# Altium PCB BGA_faser.PcbDoc (part 1 of 3) (continued)
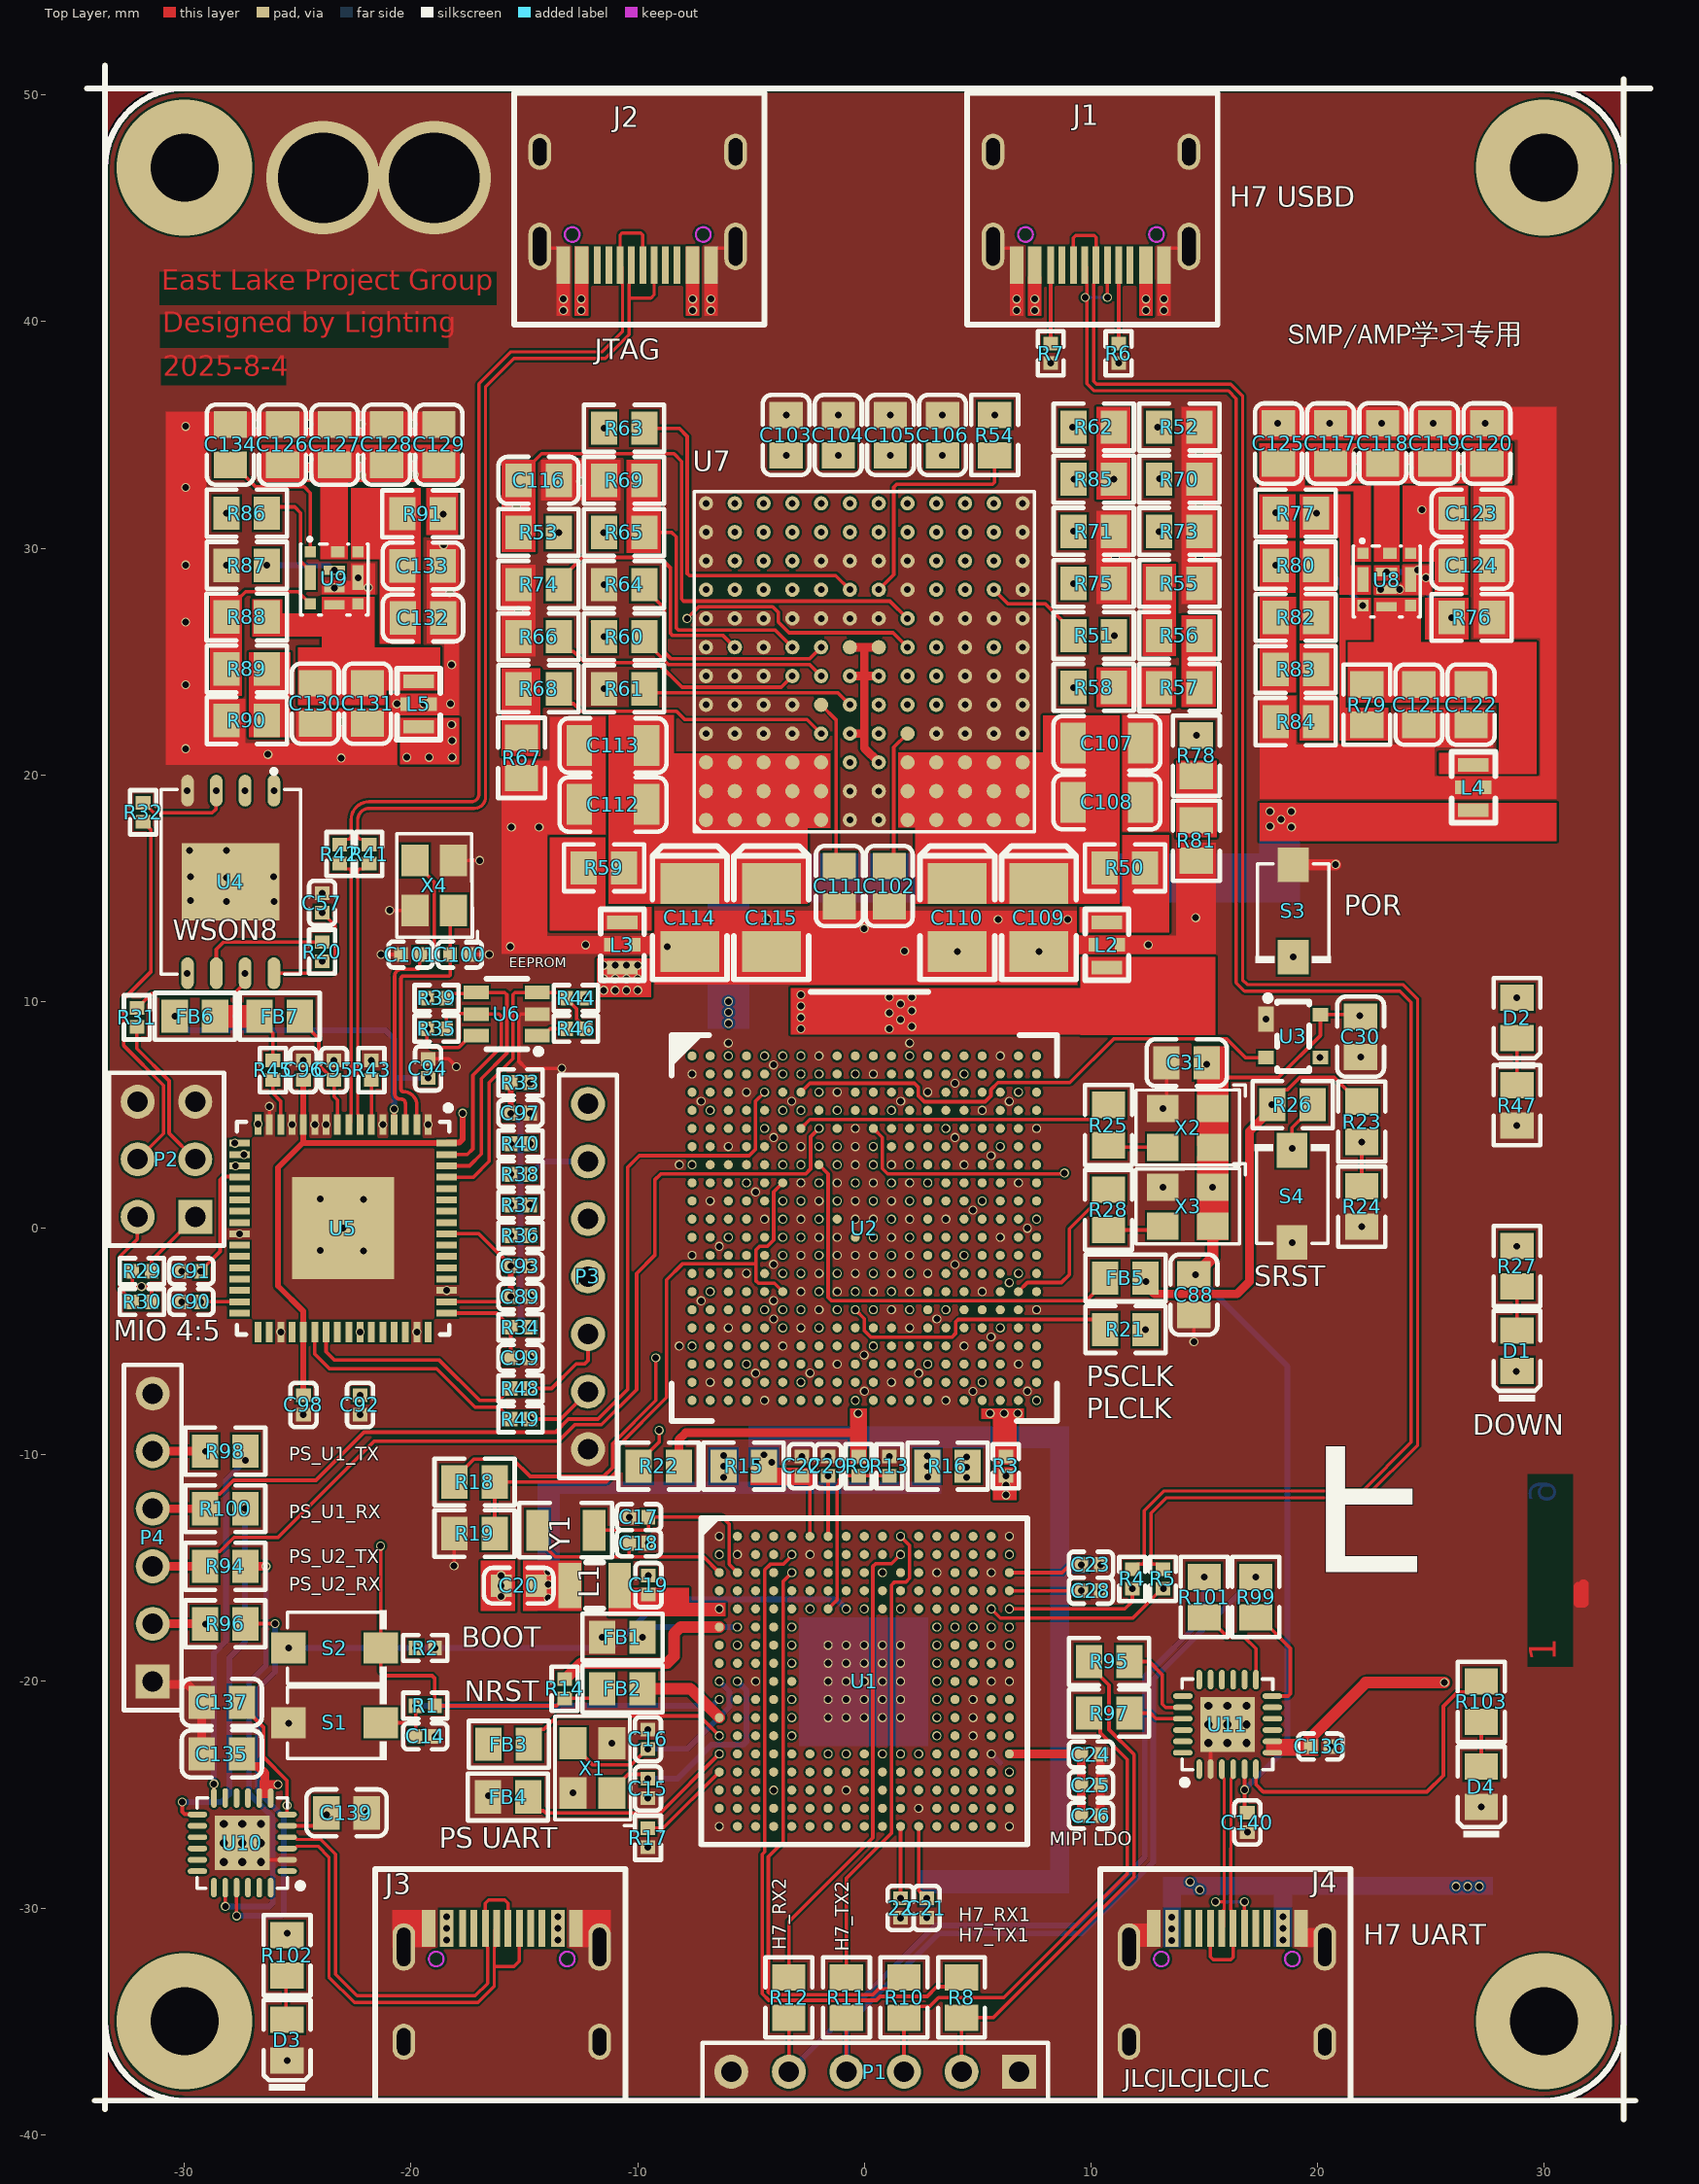
[diagram p0: Top Layer view]
## Components (designator, comment, footprint, x,y, rotation, side; value= is the part's Value field where it differs from the comment)
22 "2.2uF" 0402_C 1.6,-30 r270 top locked (schematic designator C27)
C1 "100nF" 0201#1 -2.63,-21.6 r180 bottom
C2 "100nF" 0201#1 -2.63,-18.4 r180 bottom
C3 "100nF" 0201#1 -1.6,-22.63 r270 bottom
C4 "100nF" 0201#1 1.6,-22.63 r270 bottom
C5 "100nF" 0201#1 2.63,-21.6 r0 bottom
C6 "100nF" 0201#1 2.63,-20 r0 bottom
C7 "100nF" 0201#1 2.63,-18.4 r0 bottom
C8 "100nF" 0201#1 5.83,-18.4 r0 bottom
C9 "100nF" 0201#1 1.6,-17.37 r90 bottom
C10 "100nF" 0201#1 0,-17.37 r90 bottom
C11 "100nF" 0201#1 -2.4,-17.37 r90 bottom
C12 "100nF" 0201#1 -6.4,-13.83 r270 bottom
C13 "100nF" 0201#1 5.997,-23.597 r315 bottom
C14 "100nF" 0402_C -19.375,-22.425 r180 top
C15 "12pF" 0402_C -9.55,-24.725 r270 top
C16 "12pF" 0402_C -9.55,-22.55 r90 top
C17 "20pF" 0402_C -9.95,-12.75 r0 top
C18 "20pF" 0402_C -9.95,-13.9 r180 top
C19 "220pF" 0402_C -9.525,-15.75 r270 top
C20 "10uF" 0603_C -15.25,-15.775 r0 top
C21 "100nF" 0402_C 2.75,-30 r270 top locked
C22 "100nF" 0402_C -2.75,-10.5 r90 top
C23 "100nF" 0402_C 10,-14.85 r0 top locked
C24 "100nF" 0402_C 10,-23.225 r180 top locked
C25 "2.2uF" 0402_C 10,-24.575 r180 top locked
C26 "NC" 0402_C 10,-25.925 r180 top locked
C28 "2.2uF" 0402_C 10,-16 r0 top locked
C29 "2.2uF" 0402_C -1.6,-10.5 r90 top locked
C30 "100nF" 0805_C 21.9,8.45 r90 top locked
C31 "100nF" 0805_C 14.225,7.3 r0 top
C32 "100nF" 0201#1 0.17,2 r180 bottom
C33 "100nF" 0201#1 1.43,2.8 r0 bottom
C34 "100nF" 0201#1 1.77,0.4 r180 bottom
C35 "100nF" 0201#1 -2.23,1.2 r180 bottom
C36 "100nF" 0201#1 1.77,-1.2 r180 bottom
C37 "100nF" 0201#1 1.77,-2.8 r180 bottom
C38 "100nF" 0201#1 -2.23,-3.6 r180 bottom
C39 "100nF" 0201#1 -2.57,-2.8 r0 bottom
C40 "100nF" 0201#2 -2.23,-0.4 r180 bottom
C41 "100nF" 0201#1 -2.23,-2 r180 bottom
C42 "100nF" 0201#1 -1.2,-3.03 r270 bottom
C43 "100nF" 0201#1 -0.4,-2.23 r270 bottom
C44 "100nF" 0201#1 -1.2,-1.43 r270 bottom
C45 "100nF" 0201#1 0.4,-1.43 r270 bottom
C46 "100nF" 0201#1 0.4,0.17 r270 bottom
C47 "100nF" 0201#1 -2.57,-1.2 r0 bottom
C48 "100nF" 0201#1 0.97,1.2 r180 bottom
C49 "100nF" 0201#1 -0.17,3.6 r0 bottom
C50 "100nF" 0201#1 3.997,6.397 r45 bottom
C51 "100nF" 0201#3 4.003,3.997 r135 bottom
C52 "100nF" 0201#1 -2.57,2 r0 bottom
C53 "100nF" 0201#1 -0.63,1.2 r180 bottom
C54 "100nF" 0201#1 -0.63,2.8 r180 bottom
C55 "100nF" 0201#1 2,8.17 r270 bottom
C56 "100nF" 0201#3 1.603,5.603 r225 bottom
C57 "100nF" 0402_C -23.925,14.35 r270 top locked
C58 "100nF" 0201#1 6.397,5.597 r45 bottom
C59 "100nF" 0201#1 5.597,3.197 r45 bottom
C60 "100nF" 0201#1 4.797,0.797 r45 bottom
C61 "100nF" 0201#1 3.997,-1.603 r45 bottom
C62 "100nF" 0201#1 3.197,-4.003 r45 bottom
C63 "100nF" 0201#1 5.597,-4.803 r45 bottom
C64 "100nF" 0201#1 2.397,-6.403 r45 bottom
C65 "100nF" 0201#1 4.797,-7.203 r45 bottom
C66 "100nF" 0201#1 -0.003,-5.603 r45 bottom
C67 "100nF" 0201#1 0.003,-7.197 r225 bottom
C68 "100nF" 0201#1 -2.397,-6.397 r225 bottom
C69 "100nF" 0201#1 7.197,-7.197 r315 bottom
C70 "100nF" 0201#1 2.23,2 r0 bottom
C71 "100nF" 0201#1 -2.57,-4.4 r0 bottom
C72 "100nF" 0201#1 -4.003,-1.597 r315 bottom
C73 "100nF" 0201#1 -4.003,7.203 r315 bottom
C74 "100nF" 0201#1 -3.203,5.603 r315 bottom
C75 "100nF" 0201#1 -4.17,0.4 r0 bottom
C76 "100nF" 0201#1 -4.003,-3.197 r315 bottom
C77 "100nF" 0201#1 7.197,-0.003 r45 bottom
C78 "100nF" 0201#1 -8.17,-5.2 r0 bottom
C79 "100nF" 0201#1 -4.797,-6.403 r135 bottom
C80 "100nF" 0201#1 -3.997,-4.003 r135 bottom
C81 "100nF" 0201#1 -7.203,-3.203 r45 bottom
C82 "100nF" 0201#1 -4.797,1.597 r135 bottom
C83 "100nF" 0201#1 -3.997,3.997 r135 bottom
C84 "100nF" 0201#1 -6.403,-0.803 r45 bottom
C85 "100nF" 0201#1 -6,8.17 r270 bottom
C86 "100nF" 0201#1 -8.17,2.8 r0 bottom
C87 "100nF" 0201#1 -7.203,5.603 r315 bottom
C88 "100nF" 0805_C 14.543,-2.934 r90 top
C89 "100nF" 0402_C -15.175,-3.025 r180 top
C90 "100nF" 0402_C -29.7,-3.25 r0 top
C91 "100nF" 0402_C -29.7,-1.9 r0 top
C92 "100nF" 0402_C -22.25,-7.8 r90 top
C93 "100nF" 0402_C -15.175,-1.675 r180 top
C94 "100nF" 0402_C -19.25,7.05 r90 top
C95 "100nF" 0402_C -23.4,6.975 r90 top
C96 "100nF" 0402_C -24.75,6.975 r270 top
C97 "100nF" 0402_C -15.175,5.075 r180 top
C98 "100nF" 0402_C -24.75,-7.8 r90 top
C99 "4.7uF" 0402_C -15.175,-5.725 r180 top
C100 "12pF (120) 5% 50V" 0402_C -17.85,12.075 r180 top
C101 "12pF (120) 5% 50V" 0402_C -20.025,12.075 r0 top
C102 "100nF" 0805_C 1.1,15.1 r270 top
C103 "22uF" 0805_C -3.45,35 r270 top
C104 "22uF" 0805_C -1.15,35 r270 top
C105 "22uF" 0805_C 1.15,35 r270 top
C106 "22uF" 0805_C 3.45,35 r270 top
C107 "100uF" 1206_C 10.7,21.4 r180 top
C108 "100uF" 1206_C 10.7,18.8 r180 top
C109 "100uF" CASE-B_3528 7.7,13.7 r90 top
C110 "100uF" CASE-B_3528 4.1,13.7 r90 top
C111 "100nF" 0805_C -1.1,15.1 r270 top
C112 "100uF" 1206_C -11.09,18.7 r0 top
C113 "100uF" 1206_C -11.09,21.3 r0 top
C114 "100uF" CASE-B_3528 -7.7,13.7 r90 top
C115 "100uF" CASE-B_3528 -4.1,13.7 r90 top
C116 "4.7uF" 0805_C -14.375,33 r180 top
C117 "10uF" 0805_C 20.575,34.625 r270 top
C118 "10uF" 0805_C 22.875,34.635 r270 top
C119 "NC" 0805_C 25.175,34.625 r270 top
C120 "NC" 0805_C 27.475,34.625 r270 top
C121 "22uF (226) 20% 25V" 0805_C 24.475,23.1 r90 top
C122 "22uF (226) 20% 25V" 0805_C 26.775,23.1 r90 top
C123 "NC" 0805_C 26.8,31.55 r180 top
C124 "100pF" 0805_C 26.8,29.25 r180 top
C125 "3.3nF" 0805_C 18.275,34.625 r270 top
C126 "10uF" 0805_C -25.675,34.575 r270 top
C127 "10uF" 0805_C -23.375,34.575 r270 top
C128 "NC" 0805_C -21.075,34.575 r270 top
C129 "NC" 0805_C -18.775,34.575 r270 top
C130 "22uF" 0805_C -24.225,23.15 r90 top
C131 "22uF" 0805_C -21.925,23.15 r90 top
C132 "NC" 0805_C -19.475,26.925 r180 top
C133 "100pF" 0805_C -19.485,29.225 r180 top
C134 "3.3nF" 0805_C -27.975,34.575 r270 top
C135 "1uF" 0805_C -28.35,-23.2 r0 top locked
C136 "1uF" 0402_C 20.125,-22.875 r180 top
C137 "100nF" 0805_C -28.35,-20.925 r0 top locked
C139 "1uF" 0805_C -22.85,-25.8 r180 top
C140 "1uF" 0402_C 16.9,-26.225 r90 top
D1 "翠绿 0805" 0805_LED_S1#1 28.8,-5.41 r90 top
D2 "翠绿 0805" 0805_LED_S1#1 28.8,9.275 r90 top locked
D3 "白灯 0603" 0805_LED_S1#2 -25.475,-35.825 r90 top locked
D4 "白灯 0603" 0805_LED_S1#1 27.225,-24.65 r90 top
FB1 "100Ω ±25% 100MHz" 0805_L -10.675,-18.05 r180 top
FB2 "100Ω ±25% 100MHz" 0805_L -10.675,-20.325 r180 top
FB3 "100Ω ±25% 100MHz" 0805_L -15.69,-22.775 r180 top
FB4 "100Ω ±25% 100MHz" 0805_L -15.725,-25.1 r180 top
FB5 "100Ω ±25% 100MHz" 0805_L 11.525,-2.2 r0 top
FB6 "100Ω ±25% 100MHz" 0805_L -29.54,9.35 r0 top
FB7 "100Ω ±25% 100MHz" 0805_L -25.8,9.35 r180 top
J1 "type C 16pin" "USB type C  16pin" 10,45 r180 top locked
J2 "type C 16pin" "USB type C  16pin" -10,45 r180 top locked
J3 "Type_C_16" "USB type C  16pin" -16,-33.4 r0 top locked
J4 "Type_C_16" "USB type C  16pin" 16,-33.4 r0 top locked
L1 "Inductor" IND-SMD_L2.5-W2.0_YXMBL252010P -11.9,-15.775 r0 top value=22uH
L2 "NFM21PC105B1C3D" FILTER-SMD_3P-L2.0-W1.2-L 10.7,12.5 r270 top
L3 "NFM21PC105B1C3D" FILTER-SMD_3P-L2.0-W1.2-L -10.68,12.5 r270 top
L4 "NFM21PC105B1C3D" FILTER-SMD_3P-L2.0-W1.2-L 26.875,19.45 r270 top
L5 "NFM21PC105B1C3D" FILTER-SMD_3P-L2.0-W1.2-L -19.675,23.125 r270 top
P1 "Header 6" HDR1X6 6.83,-37.225 r180 top
P2 "Header 3X2" HDR2X3 -29.525,0.5 r90 top locked
P3 "Header 7" HDR1X7 -12.192,-9.754 r90 top locked
P4 "Header 6" HDR1X6 -31.4,-20 r90 top locked (schematic designator P?)
R1 "10KΩ" 0402_R -19.375,-21.075 r0 top
R2 "10KΩ" 0402_R -19.375,-18.525 r180 top
R3 "0Ω" 0402_R 6.25,-10.5 r270 top
R4 "33Ω" 0402_R 11.825,-15.475 r90 top
R5 "33Ω" 0402_R 13.175,-15.475 r90 top
R6 "5.1KΩ" 0402_R 11.225,38.6 r270 top locked
R7 "5.1KΩ" 0402_R 8.225,38.6 r270 top locked
R8 "33Ω" 0805_R 4.29,-33.95 r270 top
R9 "10KΩ" 0402_R -0.25,-10.5 r90 top
R10 "33Ω" 0805_R 1.75,-33.95 r270 top
R11 "33Ω" 0805_R -0.79,-33.95 r270 top
R12 "33Ω" 0805_R -3.33,-33.95 r270 top
R13 "NC" 0402_R 1.1,-10.5 r270 top
R14 "0Ω" 0402_R -13.225,-20.325 r90 top
R15 "0Ω" 0805_R -5.325,-10.5 r180 top locked
R16 "NC" 0805_R 3.675,-10.5 r180 top
R17 "0Ω" 0402_R -9.55,-26.9 r90 top
R18 "10KΩ" 0805_R -17.2,-11.2 r180 top
R19 "10KΩ" 0805_R -17.2,-13.475 r0 top
R20 "33Ω" 0402_R -23.925,12.2 r90 top
R21 "4.7KΩ" 0805_R 11.525,-4.475 r180 top locked
R22 "4.7KΩ" 0805_R -9.075,-10.5 r180 top locked
R23 "10KΩ" 0805_R 21.95,4.7 r90 top
R24 "10KΩ" 0805_R 21.95,0.95 r90 top
R25 "0Ω (0R0) ±1%" 0805_R 10.775,4.55 r90 top
R26 "10KΩ" 0805_R 18.9,5.45 r180 top
R27 "1.2KΩ" 0805_R 28.8,-1.675 r90 top
R28 "0Ω (0R0) ±1%" 0805_R 10.775,0.81 r90 top
R29 "10KΩ" 0402_R -31.875,-1.9 r0 top
R30 "10KΩ" 0402_R -31.875,-3.25 r0 top
R31 "20KΩ" 0402_R -32.1,9.3 r270 top
R32 "20KΩ" 0402_R -31.825,18.35 r90 top
R33 "0Ω" 0402_R -15.175,6.425 r0 top
R34 "0Ω" 0402_R -15.175,-4.375 r180 top
R35 "10KΩ (1002) ±1%" 0402_R -18.875,8.8 r180 top
R36 "33Ω" 0402 -15.6,-0.325 r0 top
R37 "33Ω" 0402 -15.6,1.025 r0 top
R38 "33Ω" 0402 -15.6,2.375 r0 top
R39 "10KΩ (1002) ±1%" 0402_R -18.875,10.15 r180 top
R40 "33Ω" 0402 -15.6,3.725 r0 top
R41 "33Ω" 0402_R -21.851,16.51 r270 top locked
R42 "33Ω" 0402_R -23.151,16.51 r270 top locked
R43 "12KΩ" 0402_R -21.75,6.975 r270 top
R44 "10KΩ (1002) ±1%" 0402_R -12.725,10.15 r0 top
R45 "1KΩ" 0402_R -26.1,6.975 r270 top
R46 "2.2KΩ" 0402_R -12.725,8.8 r180 top
R47 "1KΩ (1001) ±1%" 0805_R 28.8,5.425 r90 top locked
R48 "33Ω" 0402 -15.6,-7.075 r0 top
R49 "33Ω" 0402 -15.6,-8.425 r0 top
R50 "0Ω" 0805_R 11.5,15.9 r0 top
R51 "0Ω (0R0) ±1%" 0805_R 10.125,26.15 r180 top
R52 "NC" 0805_R 13.9,35.35 r180 top
R53 "10KΩ (1002) ±1%" 0805_R -14.375,30.7 r180 top
R54 "NC" 0805_R 5.75,35 r270 top
R55 "3KΩ (3001) ±1%" 0805_R 13.9,28.45 r0 top
R56 "51KΩ (5102) ±1%" 0805_R 13.9,26.15 r0 top
R57 "33KΩ (3302) ±1%" 0805_R 13.899,23.856 r180 top
R58 "3.9KΩ (3901) ±1%" 0805_R 10.121,23.862 r180 top
R59 "0Ω" 0805_R -11.49,15.9 r180 top
R60 "0Ω (0R0) ±1%" 0805_R -10.6,26.1 r180 top
R61 "NC" 0805_R -10.6,23.8 r0 top
R62 "10KΩ (1002) ±1%" 0805_R 10.125,35.35 r180 top
R63 "100KΩ" 0805_R -10.6,35.3 r180 top
R64 "NC" 0805_R -10.6,28.4 r0 top
R65 "0Ω" 0805_R -10.6,30.7 r180 top
R66 "0Ω" 0805_R -14.375,26.1 r180 top
R67 "200Ω (2000) ±1%" 0805_R -15.125,20.75 r90 top
R68 "30KΩ (3002) ±1%" 0805_R -14.375,23.8 r0 top
R69 "0Ω" 0805_R -10.6,33 r0 top
R70 "NC" 0805_R 13.9,33.05 r0 top
R71 "NC" 0805_R 10.125,30.75 r180 top
R72 "0Ω (0R0) ±1%" 0402_R 0.635,19.9 r270 bottom
R73 "NC" 0805_R 13.9,30.75 r0 top
R74 "NC" 0805_R -14.375,28.4 r0 top
R75 "NC" 0805_R 10.125,28.45 r180 top
R76 "NC" 0805_R 26.8,26.95 r0 top
R77 "10KΩ" 0805_R 19.035,31.55 r180 top
R78 "120KΩ (1203) ±1%" 0805_R 14.65,20.85 r90 top
R79 "10KΩ" 0805_R 22.175,23.1 r90 top
R80 "10KΩ (1002) ±1%" 0805_R 19.035,29.25 r0 top
R81 "1KΩ (1001) ±1%" 0805_R 14.65,17.1 r90 top
R82 "1.2KΩ (1201) ±1%" 0805_R 19.035,26.95 r180 top
R83 "220Ω (2200) ±1%" 0805_R 19.035,24.65 r180 top
R84 "5.1Ω (5R10) ±1%" 0805_R 19.035,22.35 r180 top
R85 "0Ω (0R0) ±1%" 0805_R 10.125,33.05 r0 top
R86 "10KΩ" 0805_R -27.25,31.55 r180 top
R87 "NC" 0805_R -27.25,29.25 r180 top
R88 "10KΩ" 0805_R -27.254,26.968 r0 top
R89 "2.2KΩ (2201) ±1%" 0805_R -27.25,24.675 r0 top
R90 "1KΩ (1001) ±1%" 0805_R -27.25,22.4 r180 top
R91 "0Ω (0R0) ±1%" 0805_R -19.5,31.525 r0 top
R94 "0Ω" 0805_R -28.2,-14.92 r0 top locked
R95 "0Ω" 0805_R 10.8,-19.125 r0 top
R96 "0Ω" 0805_R -28.2,-17.46 r0 top
R97 "0Ω" 0805_R 10.8,-21.4 r0 top
R98 "0Ω" 0805_R -28.2,-9.84 r0 top locked
R99 "0Ω" 0805_R 17.275,-16.275 r270 top
R100 "0Ω" 0805_R -28.2,-12.38 r0 top locked
R101 "0Ω" 0805_R 15,-16.275 r270 top
R102 "330Ω (3300) ±1%" 0805_R -25.475,-32.085 r90 top locked
R103 "330Ω (3300) ±1%" 0805_R 27.225,-20.9 r90 top
S1 "SW-PB" SW-3*4-2P -23.375,-21.825 r0 top
S2 "SW-PB" SW-3*4-2P -23.375,-18.525 r0 top
S3 "SW-PB" SW-3*4-2P 18.925,14 r270 top
S4 "SW-PB" SW-3*4-2P 18.875,1.4 r90 top locked
U1 "STM32H747XIH6" TFBGA-265_L14.0-W14.0-P0.80-TL 0,-20 r0 top locked
U2 "XC7Z020-2CLG400I" FBGA-400_L17.0-W17.0-R20-C20-P0.80-TL 0,0 r0 top locked
U3 "VP811REUS/T" SOT-143_L2.9-W1.3-P1.92-LS2.3-BL 18.925,8.475 r270 top locked
U4 "SPI-NOR" WSON8 -27.96,15.278 r180 top locked
U5 "FT2232HQ-REEL" QFN-64_L9.0-W9.0-P0.50-TL-EP4.3 -23,0 r270 top locked
U6 "93LC56BT-I/OT" SOT-23-6_L2.9-W1.6-P0.95-LS2.8-BR -15.775,9.45 r0 top
U7 "LTM4620AIY#PBF" BGA-144_L15.0-W15.0-R12-C12-P1.27-BL 0,25 r0 top locked
U8 "NAE12S03-B" PWRM-SMD_HUAWEI_NAE12S03 23.05,28.6 r0 top
U9 "NAE12S03-B" PWRM-SMD_HUAWEI_NAE12S03 -23.393,28.677 r0 top
U10 "CH342F" QFN24_4X4 -27.45,-27.125 r90 top locked
U11 "CH342F" QFN24_4X4 16.03,-21.897 r0 top
X1 "25MHz" 3225 -11.148,-24.925 r90 top value=8MHz
X2 "有源晶体" 3225 15.375,5.275 r180 top
X3 "有源晶体" 3225 15.375,1.8 r180 top
X4 "12MHz" 3225 -18.123,14.025 r90 top value=8MHz
Y1 "32.768KHz" "SMD-3215_2P FC - 135" -13.175,-13.325 r180 top

## Footprints (in the part's own frame and the unit in brackets; to place one, negate y for a bottom-side part, rotate by r counter-clockwise, add the part's x,y. Pads: shape width x height; smd on the part's side, far side on the other; paste and mask are expansions set on the pad)
0201#1 [mm]
  rect 0.36x0.4 smd mask+0.051: 1(0,0) 2(0.57,0)
  silkscreen extent -0.43,-0.45 1,0.45
0201#2 [mm]
  rect 0.36x0.4 smd mask+0.051: 1(0,0)
  oval 0.36x0.4 smd mask+0.051: 2(0.57,0)
  silkscreen extent -0.43,-0.45 1,0.45
0201#3 [mm]
  rect 0.36x0.4 smd mask+0.051: 1(0,0)
  rrect50% 0.36x0.4 smd mask+0.051: 2(0.57,0)
  silkscreen extent -0.43,-0.45 1,0.45
0402 [mm]
  rect 0.6x0.65 smd mask+0.051: 1(0,0) 2(0.85,0)
  silkscreen extent -0.55,-0.58 1.4,0.57
0402_C [mm]
  rect 0.6x0.65 smd mask+0.051: 1(-0.425,0) 2(0.425,0)
  silkscreen extent -0.97,-0.58 0.97,0.58, body extent -0.48,-0.3 0.52,0.3, height 0.2
0402_R [mm]
  rect 0.6x0.65 smd mask+0.051: 1(-0.425,0) 2(0.425,0)
  silkscreen extent -0.97,-0.58 0.97,0.58, body extent -0.57,-0.27 0.58,0.28, height 0.41
0603_C [mm]
  rect 0.93x0.98 smd: 1(-0.77,0) 2(0.77,0)
  silkscreen extent -1.53,-0.79 1.54,0.79, body extent -0.8,-0.4 0.8,0.4, height 0.3
0805_C [mm]
  rect 1.16x1.47 smd: 1(-0.89,0) 2(0.89,0)
  silkscreen extent -1.77,-1.04 1.77,1.04, body extent -1,-0.62 1,0.63, height 0.77
0805_L [mm]
  rect 1.16x1.47 smd: 1(-0.89,0) 2(0.89,0)
  silkscreen extent -1.77,-1.04 1.77,1.03, body extent -1.02,-0.64 1.03,0.64, height 0.6
0805_LED_S1#1 [mm]
  rect 1.16x1.47 smd: A(0.89,0) K(-0.89,0)
  silkscreen extent -2.24,-1.04 1.77,1.03, body extent -1.01,-0.62 1.01,0.62, height 1.1
0805_LED_S1#2 [mm]
  rect 1.16x1.47 smd: A(0.89,0) K(-0.9,0)
  silkscreen extent -2.24,-1.04 1.77,1.03, body extent -1.01,-0.62 1.01,0.62, height 1.1
0805_R [mm]
  rect 1.16x1.47 smd: 1(-0.89,0) 2(0.89,0)
  silkscreen extent -1.77,-1.04 1.77,1.03, body extent -1,-0.62 1,0.63, height 0.49
1206_C [mm]
  rect 1.13x1.8 smd: 1(-1.49,0) 2(1.49,0)
  silkscreen extent -2.36,-1.2 2.35,1.2, body extent 0,-0.01 0,-0.01
3225 [mm]
  rect 1.4x1.2 smd: 1(0,0) 2(2.2,0) 3(2.2,1.702) 4(0,1.702)
  silkscreen extent -1.44,-1.05 3.39,2.5
BGA-144_L15.0-W15.0-R12-C12-P1.27-BL [mm]
  round 0.63 smd: A1(-6.985,-6.985) A2(-5.715,-6.985) A3(-4.445,-6.985) A4(-3.175,-6.985) A5(-1.905,-6.985) A6(-0.635,-6.985) A7(0.635,-6.985) A8(1.905,-6.985) A9(3.175,-6.985) A10(4.445,-6.985) A11(5.715,-6.985) A12(6.985,-6.985) B1(-6.985,-5.715) B2(-5.715,-5.715) B3(-4.445,-5.715) B4(-3.175,-5.715) B5(-1.905,-5.715) B6(-0.635,-5.715) B7(0.635,-5.715) B8(1.905,-5.715) B9(3.175,-5.715) B10(4.445,-5.715) B11(5.715,-5.715) B12(6.985,-5.715) C1(-6.985,-4.445) C2(-5.715,-4.445) C3(-4.445,-4.445) C4(-3.175,-4.445) C5(-1.905,-4.445) C6(-0.635,-4.445) C7(0.635,-4.445) C8(1.905,-4.445) C9(3.175,-4.445) C10(4.445,-4.445) C11(5.715,-4.445) C12(6.985,-4.445) D1(-6.985,-3.175) D2(-5.715,-3.175) D3(-4.445,-3.175) D4(-3.175,-3.175) D5(-1.905,-3.175) D6(-0.635,-3.175) D7(0.635,-3.175) D8(1.905,-3.175) D9(3.175,-3.175) D10(4.445,-3.175) D11(5.715,-3.175) D12(6.985,-3.175) E1(-6.985,-1.905) E2(-5.715,-1.905) E3(-4.445,-1.905) E4(-3.175,-1.905) E5(-1.905,-1.905) E6(-0.635,-1.905) E7(0.635,-1.905) E8(1.905,-1.905) E9(3.175,-1.905) E10(4.445,-1.905) E11(5.715,-1.905) E12(6.985,-1.905) F1(-6.985,-0.635) F2(-5.715,-0.635) F3(-4.445,-0.635) F4(-3.175,-0.635) F5(-1.905,-0.635) F6(-0.635,-0.635) F7(0.635,-0.635) F8(1.905,-0.635) F9(3.175,-0.635) F10(4.445,-0.635) F11(5.715,-0.635) F12(6.985,-0.635) G1(-6.985,0.635) G2(-5.715,0.635) G3(-4.445,0.635) G4(-3.175,0.635) G5(-1.905,0.635) G6(-0.635,0.635) G7(0.635,0.635) G8(1.905,0.635) G9(3.175,0.635) G10(4.445,0.635) G11(5.715,0.635) G12(6.985,0.635) H1(-6.985,1.905) H2(-5.715,1.905) H3(-4.445,1.905) H4(-3.175,1.905) H5(-1.905,1.905) H6(-0.635,1.905) H7(0.635,1.905) H8(1.905,1.905) H9(3.175,1.905) H10(4.445,1.905) H11(5.715,1.905) H12(6.985,1.905) J1(-6.985,3.175) J2(-5.715,3.175) J3(-4.445,3.175) J4(-3.175,3.175) J5(-1.905,3.175) J6(-0.635,3.175) J7(0.635,3.175) J8(1.905,3.175) J9(3.175,3.175) J10(4.445,3.175) J11(5.715,3.175) J12(6.985,3.175) K1(-6.985,4.445) K2(-5.715,4.445) K3(-4.445,4.445) K4(-3.175,4.445) K5(-1.905,4.445) K6(-0.635,4.445) K7(0.635,4.445) K8(1.905,4.445) K9(3.175,4.445) K10(4.445,4.445) K11(5.715,4.445) K12(6.985,4.445) L1(-6.985,5.715) L2(-5.715,5.715) L3(-4.445,5.715) L4(-3.175,5.715) L5(-1.905,5.715) L6(-0.635,5.715) L7(0.635,5.715) L8(1.905,5.715) L9(3.175,5.715) L10(4.445,5.715) L11(5.715,5.715) L12(6.985,5.715) M1(-6.985,6.985) M2(-5.715,6.985) M3(-4.445,6.985) M4(-3.175,6.985) M5(-1.905,6.985) M6(-0.635,6.985) M7(0.635,6.985) M8(1.905,6.985) M9(3.175,6.985) M10(4.445,6.985) M11(5.715,6.985) M12(6.985,6.985)
  silkscreen extent -7.5,-7.5 7.5,7.5
CASE-B_3528 [mm]
  rect 1.8x2.6 smd: 1(1.5,0) 2(-1.5,0)
  silkscreen extent -2.73,-1.65 3.16,1.65, body extent 0,0 0,0
FBGA-400_L17.0-W17.0-R20-C20-P0.80-TL [mm]
  round 0.4 smd paste+0 mask+0.051: A1(-7.6,7.6) A2(-6.8,7.6) A3(-6,7.6) A4(-5.2,7.6) A5(-4.4,7.6) A6(-3.6,7.6) A7(-2.8,7.6) A8(-2,7.6) A9(-1.2,7.6) A10(-0.4,7.6) A11(0.4,7.6) A12(1.2,7.6) A13(2,7.6) A14(2.8,7.6) A15(3.6,7.6) A16(4.4,7.6) A17(5.2,7.6) A18(6,7.6) A19(6.8,7.6) A20(7.6,7.6) B1(-7.6,6.8) B2(-6.8,6.8) B3(-6,6.8) B4(-5.2,6.8) B5(-4.4,6.8) B6(-3.6,6.8) B7(-2.8,6.8) B8(-2,6.8) B9(-1.2,6.8) B10(-0.4,6.8) B11(0.4,6.8) B12(1.2,6.8) B13(2,6.8) B14(2.8,6.8) B15(3.6,6.8) B16(4.4,6.8) B17(5.2,6.8) B18(6,6.8) B19(6.8,6.8) B20(7.6,6.8) C1(-7.6,6) C2(-6.8,6) C3(-6,6) C4(-5.2,6) C5(-4.4,6) C6(-3.6,6) C7(-2.8,6) C8(-2,6) C9(-1.2,6) C10(-0.4,6) C11(0.4,6) C12(1.2,6) C13(2,6) C14(2.8,6) C15(3.6,6) C16(4.4,6) C17(5.2,6) C18(6,6) C19(6.8,6) C20(7.6,6) D1(-7.6,5.2) D2(-6.8,5.2) D3(-6,5.2) D4(-5.2,5.2) D5(-4.4,5.2) D6(-3.6,5.2) D7(-2.8,5.2) D8(-2,5.2) D9(-1.2,5.2) D10(-0.4,5.2) D11(0.4,5.2) D12(1.2,5.2) D13(2,5.2) D14(2.8,5.2) D15(3.6,5.2) D16(4.4,5.2) D17(5.2,5.2) D18(6,5.2) D19(6.8,5.2) D20(7.6,5.2) E1(-7.6,4.4) E2(-6.8,4.4) E3(-6,4.4) E4(-5.2,4.4) E5(-4.4,4.4) E6(-3.6,4.4) E7(-2.8,4.4) E8(-2,4.4) E9(-1.2,4.4) E10(-0.4,4.4) E11(0.4,4.4) E12(1.2,4.4) E13(2,4.4) E14(2.8,4.4) E15(3.6,4.4) E16(4.4,4.4) E17(5.2,4.4) E18(6,4.4) E19(6.8,4.4) E20(7.6,4.4) F1(-7.6,3.6) F2(-6.8,3.6) F3(-6,3.6) F4(-5.2,3.6) F5(-4.4,3.6) F6(-3.6,3.6) F7(-2.8,3.6) F8(-2,3.6) F9(-1.2,3.6) F10(-0.4,3.6) F11(0.4,3.6) F12(1.2,3.6) F13(2,3.6) F14(2.8,3.6) F15(3.6,3.6) F16(4.4,3.6) F17(5.2,3.6) F18(6,3.6) F19(6.8,3.6) F20(7.6,3.6) G1(-7.6,2.8) G2(-6.8,2.8) G3(-6,2.8) G4(-5.2,2.8) G5(-4.4,2.8) G6(-3.6,2.8) G7(-2.8,2.8) G8(-2,2.8) G9(-1.2,2.8) G10(-0.4,2.8) G11(0.4,2.8) G12(1.2,2.8) G13(2,2.8) G14(2.8,2.8) G15(3.6,2.8) G16(4.4,2.8) G17(5.2,2.8) G18(6,2.8) G19(6.8,2.8) G20(7.6,2.8) H1(-7.6,2) H2(-6.8,2) H3(-6,2) H4(-5.2,2) H5(-4.4,2) H6(-3.6,2) H7(-2.8,2) H8(-2,2) H9(-1.2,2) H10(-0.4,2) H11(0.4,2) H12(1.2,2) H13(2,2) H14(2.8,2) H15(3.6,2) H16(4.4,2) H17(5.2,2) H18(6,2) H19(6.8,2) H20(7.6,2) J1(-7.6,1.2) J2(-6.8,1.2) J3(-6,1.2) J4(-5.2,1.2) J5(-4.4,1.2) J6(-3.6,1.2) J7(-2.8,1.2) J8(-2,1.2) J9(-1.2,1.2) J10(-0.4,1.2) J11(0.4,1.2) J12(1.2,1.2) J13(2,1.2) J14(2.8,1.2) J15(3.6,1.2) J16(4.4,1.2) J17(5.2,1.2) J18(6,1.2) J19(6.8,1.2) J20(7.6,1.2) K1(-7.6,0.4) K2(-6.8,0.4) K3(-6,0.4) K4(-5.2,0.4) K5(-4.4,0.4) K6(-3.6,0.4) K7(-2.8,0.4) K8(-2,0.4) K9(-1.2,0.4) K10(-0.4,0.4) K11(0.4,0.4) K12(1.2,0.4) K13(2,0.4) K14(2.8,0.4) K15(3.6,0.4) K16(4.4,0.4) K17(5.2,0.4) K18(6,0.4) K19(6.8,0.4) K20(7.6,0.4) L1(-7.6,-0.4) L2(-6.8,-0.4) L3(-6,-0.4) L4(-5.2,-0.4) L5(-4.4,-0.4) L6(-3.6,-0.4) L7(-2.8,-0.4) L8(-2,-0.4) L9(-1.2,-0.4) L10(-0.4,-0.4) L11(0.4,-0.4) L12(1.2,-0.4) L13(2,-0.4) L14(2.8,-0.4) L15(3.6,-0.4) L16(4.4,-0.4) L17(5.2,-0.4) L18(6,-0.4) L19(6.8,-0.4) L20(7.6,-0.4) M1(-7.6,-1.2) M2(-6.8,-1.2) M3(-6,-1.2) M4(-5.2,-1.2) M5(-4.4,-1.2) M6(-3.6,-1.2) M7(-2.8,-1.2) M8(-2,-1.2) M9(-1.2,-1.2) M10(-0.4,-1.2) M11(0.4,-1.2) M12(1.2,-1.2) M13(2,-1.2) M14(2.8,-1.2) M15(3.6,-1.2) M16(4.4,-1.2) M17(5.2,-1.2) M18(6,-1.2) M19(6.8,-1.2) M20(7.6,-1.2) N1(-7.6,-2) N2(-6.8,-2) N3(-6,-2) N4(-5.2,-2) N5(-4.4,-2) N6(-3.6,-2) N7(-2.8,-2) N8(-2,-2) N9(-1.2,-2) N10(-0.4,-2) N11(0.4,-2) N12(1.2,-2) N13(2,-2) N14(2.8,-2) N15(3.6,-2) N16(4.4,-2) N17(5.2,-2) N18(6,-2) N19(6.8,-2) N20(7.6,-2) P1(-7.6,-2.8) P2(-6.8,-2.8) P3(-6,-2.8) P4(-5.2,-2.8) P5(-4.4,-2.8) P6(-3.6,-2.8) P7(-2.8,-2.8) P8(-2,-2.8) P9(-1.2,-2.8) P10(-0.4,-2.8) P11(0.4,-2.8) P12(1.2,-2.8) P13(2,-2.8) P14(2.8,-2.8) P15(3.6,-2.8) P16(4.4,-2.8) P17(5.2,-2.8) P18(6,-2.8) P19(6.8,-2.8) P20(7.6,-2.8) R1(-7.6,-3.6) R2(-6.8,-3.6) R3(-6,-3.6) R4(-5.2,-3.6) R5(-4.4,-3.6) R6(-3.6,-3.6) R7(-2.8,-3.6) R8(-2,-3.6) R9(-1.2,-3.6) R10(-0.4,-3.6) R11(0.4,-3.6) R12(1.2,-3.6) R13(2,-3.6) R14(2.8,-3.6) R15(3.6,-3.6) R16(4.4,-3.6) R17(5.2,-3.6) R18(6,-3.6) R19(6.8,-3.6) R20(7.6,-3.6) T1(-7.6,-4.4) T2(-6.8,-4.4) T3(-6,-4.4) T4(-5.2,-4.4) T5(-4.4,-4.4) T6(-3.6,-4.4) T7(-2.8,-4.4) T8(-2,-4.4) T9(-1.2,-4.4) T10(-0.4,-4.4) T11(0.4,-4.4) T12(1.2,-4.4) T13(2,-4.4) T14(2.8,-4.4) T15(3.6,-4.4) T16(4.4,-4.4) T17(5.2,-4.4) T18(6,-4.4) T19(6.8,-4.4) T20(7.6,-4.4) U1(-7.6,-5.2) U2(-6.8,-5.2) U3(-6,-5.2) U4(-5.2,-5.2) U5(-4.4,-5.2) U6(-3.6,-5.2) U7(-2.8,-5.2) U8(-2,-5.2) U9(-1.2,-5.2) U10(-0.4,-5.2) U11(0.4,-5.2) U12(1.2,-5.2) U13(2,-5.2) U14(2.8,-5.2) U15(3.6,-5.2) U16(4.4,-5.2) U17(5.2,-5.2) U18(6,-5.2) U19(6.8,-5.2) U20(7.6,-5.2) V1(-7.6,-6) V2(-6.8,-6) V3(-6,-6) V4(-5.2,-6) V5(-4.4,-6) V6(-3.6,-6) V7(-2.8,-6) V8(-2,-6) V9(-1.2,-6) V10(-0.4,-6) V11(0.4,-6) V12(1.2,-6) V13(2,-6) V14(2.8,-6) V15(3.6,-6) V16(4.4,-6) V17(5.2,-6) V18(6,-6) V19(6.8,-6) V20(7.6,-6) W1(-7.6,-6.8) W2(-6.8,-6.8) W3(-6,-6.8) W4(-5.2,-6.8) W5(-4.4,-6.8) W6(-3.6,-6.8) W7(-2.8,-6.8) W8(-2,-6.8) W9(-1.2,-6.8) W10(-0.4,-6.8) W11(0.4,-6.8) W12(1.2,-6.8) W13(2,-6.8) W14(2.8,-6.8) W15(3.6,-6.8) W16(4.4,-6.8) W17(5.2,-6.8) W18(6,-6.8) W19(6.8,-6.8) W20(7.6,-6.8) Y1(-7.6,-7.6) Y2(-6.8,-7.6) Y3(-6,-7.6) Y4(-5.2,-7.6) Y5(-4.4,-7.6) Y6(-3.6,-7.6) Y7(-2.8,-7.6) Y8(-2,-7.6) Y9(-1.2,-7.6) Y10(-0.4,-7.6) Y11(0.4,-7.6) Y12(1.2,-7.6) Y13(2,-7.6) Y14(2.8,-7.6) Y15(3.6,-7.6) Y16(4.4,-7.6) Y17(5.2,-7.6) Y18(6,-7.6) Y19(6.8,-7.6) Y20(7.6,-7.6)
  silkscreen extent -8.51,-8.51 8.51,8.51
FILTER-SMD_3P-L2.0-W1.2-L [mm]
  rect 0.6x1.35 smd: 1(-1,0) 3(1,0)
  rect 0.6x0.45 smd: 2(0,0.58) 2(0,-0.58)
  silkscreen extent -1.57,-0.96 1.56,0.97
HDR1X6 [mm] "Connector; Header; 6 Position"
  rect 1.5x1.5 hole 0.9: 1(0,0)
  round 1.5 hole 0.9: 2(2.54,0) 3(5.08,0) 4(7.62,0) 5(10.16,0) 6(12.7,0)
  silkscreen extent -1.27,-1.27 13.97,1.27
HDR1X7 [mm] "Connector; Header; 7 Position"
  round 1.5 hole 0.9: 1(0,0) 2(2.54,0) 3(5.08,0) 4(7.62,0) 5(10.16,0) 6(12.7,0) 7(15.24,0)
  silkscreen extent -1.27,-1.27 16.51,1.27
HDR2X3 [mm] "Connector; Header; 3x2 Position"
  rect 1.5x1.5 hole 0.9: 1(0,0)
  round 1.5 hole 0.9: 2(0,2.54) 3(2.54,0) 4(2.54,2.54) 5(5.08,0) 6(5.08,2.54)
  silkscreen extent -1.27,-1.27 6.35,3.81
IND-SMD_L2.5-W2.0_YXMBL252010P [mm]
  rect 1x2 smd: 1(1.1,0) 2(-1.1,0)
  silkscreen extent -0.37,-1.02 0.37,1.02
PWRM-SMD_HUAWEI_NAE12S03 [mm]
  rect 0.5x0.5 smd paste+0 mask+0.05: 1(-1.05,1.175) 3(-1.05,-1.125) 5(1.05,-1.125) 7(1.05,1.175)
  rect 0.5x1.1 smd paste+0 mask+0.05: 2(-1.05,0.025) 6(1.05,0.025)
  rect 0.9x0.4 smd paste+0 mask+0.05: 4(0,-1.175) 10(0,-0.42)
  rect 0.6x0.5 smd paste+0 mask+0.05: 8(0.15,1.175)
  rect 0.95x0.4 smd paste+0 mask+0.05: 9(0,0.355)
  silkscreen extent -1.48,-1.62 1.49,1.75
QFN24_4X4 [mm]
  round 0.508 hole 0.356: 0(-0.844,-0.823) 0(-0.844,0.818) 0(-0.005,-0.003) 0(0.833,-0.823) 0(0.833,0.818)
  rect 2.413x2.413 smd mask+0.051: 0(0,0)
  oval 0.25x0.864 smd mask+0.051: 1(-1.25,-1.976) 2(-0.75,-1.976) 3(-0.25,-1.976) 4(0.25,-1.976) 5(0.75,-1.976) 6(1.25,-1.976) 13(1.25,1.976) 14(0.75,1.976) 15(0.25,1.976) 16(-0.25,1.976) 17(-0.75,1.976) 18(-1.25,1.976)
  oval 0.864x0.25 smd mask+0.051: 7(1.976,-1.25) 8(1.976,-0.75) 9(1.976,-0.25) 10(1.976,0.25) 11(1.976,0.75) 12(1.976,1.25) 19(-1.976,1.25) 20(-1.976,0.75) 21(-1.976,0.25) 22(-1.976,-0.25) 23(-1.976,-0.75) 24(-1.976,-1.25)
  silkscreen extent -2.02,-2.69 1.99,2
QFN-64_L9.0-W9.0-P0.50-TL-EP4.3 [mm]
  rect 0.9x0.3 smd paste+0 mask+0.05: 1(-4.575,3.75) 2(-4.575,3.25) 3(-4.575,2.75) 4(-4.575,2.25) 5(-4.575,1.75) 6(-4.575,1.25) 7(-4.575,0.75) 8(-4.575,0.25) 9(-4.575,-0.25) 10(-4.575,-0.75) 11(-4.575,-1.25) 12(-4.575,-1.75) 13(-4.575,-2.25) 14(-4.575,-2.75) 15(-4.575,-3.25) 16(-4.575,-3.75) 33(4.575,-3.75) 34(4.575,-3.25) 35(4.575,-2.75) 36(4.575,-2.25) 37(4.575,-1.75) 38(4.575,-1.25) 39(4.575,-0.75) 40(4.575,-0.25) 41(4.575,0.25) 42(4.575,0.75) 43(4.575,1.25) 44(4.575,1.75) 45(4.575,2.25) 46(4.575,2.75) 47(4.575,3.25) 48(4.575,3.75)
  rect 0.3x0.9 smd paste+0 mask+0.05: 17(-3.75,-4.575) 18(-3.25,-4.575) 19(-2.75,-4.575) 20(-2.25,-4.575) 21(-1.75,-4.575) 22(-1.25,-4.575) 23(-0.75,-4.575) 24(-0.25,-4.575) 25(0.25,-4.575) 26(0.75,-4.575) 27(1.25,-4.575) 28(1.75,-4.575) 29(2.25,-4.575) 30(2.75,-4.575) 31(3.25,-4.575) 32(3.75,-4.575) 49(3.75,4.575) 50(3.25,4.575) 51(2.75,4.575) 52(2.25,4.575) 53(1.75,4.575) 54(1.25,4.575) 55(0.75,4.575) 56(0.25,4.575) 57(-0.25,4.575) 58(-0.75,4.575) 59(-1.25,4.575) 60(-1.75,4.575) 61(-2.25,4.575) 62(-2.75,4.575) 63(-3.25,4.575) 64(-3.75,4.575)
  rect 4.5x4.5 smd paste+0 mask+0.05: 65(0,0)
  silkscreen extent -5.43,-4.69 4.69,4.76
"SMD-3215_2P FC - 135" [mm]
  rect 1x1.8 smd: 1(-1.25,0) 2(1.25,0)
  silkscreen extent -2.05,-1.2 2.05,1.2
SOT-23-6_L2.9-W1.6-P0.95-LS2.8-BR [mm]
  rect 1.1x0.6 smd paste+0 mask+0.051: 1(1.35,-0.95) 2(1.35,0) 3(1.35,0.95) 4(-1.35,0.95) 5(-1.35,0) 6(-1.35,-0.95)
  silkscreen extent -0.9,-1.78 1.52,1.55
SOT-143_L2.9-W1.3-P1.92-LS2.3-BL [mm]
  rect 1.1x0.7 smd paste+0 mask+0.05: 1(-0.75,-1.2)
  rect 0.6x0.7 smd paste+0 mask+0.05: 2(0.95,-1.2) 3(0.95,1.2) 4(-0.95,1.2)
  silkscreen extent -1.8,-1.24 1.55,0.7
SW-3*4-2P [mm] "开关"
  rect 1.53x1.36 smd: 1(-2.035,0) 2(2.035,0)
  silkscreen extent -2.08,-1.65 2.3,1.65
TFBGA-265_L14.0-W14.0-P0.80-TL [mm]
  round 0.4 smd paste-100 mask+0.051: A1(-6.4,6.4) A2(-5.6,6.4) A3(-4.8,6.4) A4(-4,6.4) A5(-3.2,6.4) A6(-2.4,6.4) A7(-1.6,6.4) A8(-0.8,6.4) A9(0,6.4) A10(0.8,6.4) A11(1.6,6.4) A12(2.4,6.4) A13(3.2,6.4) A14(4,6.4) A15(4.8,6.4) A16(5.6,6.4) A17(6.4,6.4) B1(-6.4,5.6) B2(-5.6,5.6) B3(-4.8,5.6) B4(-4,5.6) B5(-3.2,5.6) B6(-2.4,5.6) B7(-1.6,5.6) B8(-0.8,5.6) B9(0,5.6) B10(0.8,5.6) B11(1.6,5.6) B12(2.4,5.6) B13(3.2,5.6) B14(4,5.6) B15(4.8,5.6) B16(5.6,5.6) B17(6.4,5.6) C1(-6.4,4.8) C2(-5.6,4.8) C3(-4.8,4.8) C4(-4,4.8) C5(-3.2,4.8) C6(-2.4,4.8) C7(-1.6,4.8) C8(-0.8,4.8) C9(0,4.8) C10(0.8,4.8) C11(1.6,4.8) C12(2.4,4.8) C13(3.2,4.8) C14(4,4.8) C15(4.8,4.8) C16(5.6,4.8) C17(6.4,4.8) D1(-6.4,4) D2(-5.6,4) D3(-4.8,4) D4(-4,4) D5(-3.2,4) D6(-2.4,4) D7(-1.6,4) D8(-0.8,4) D9(0,4) D10(0.8,4) D11(1.6,4) D12(2.4,4) D13(3.2,4) D14(4,4) D15(4.8,4) D16(5.6,4) D17(6.4,4) E1(-6.4,3.2) E2(-5.6,3.2) E3(-4.8,3.2) E4(-4,3.2) E5(-3.2,3.2) E6(-2.4,3.2) E7(-1.6,3.2) E8(-0.8,3.2) E9(0,3.2) E10(0.8,3.2) E11(1.6,3.2) E12(2.4,3.2) E13(3.2,3.2) E14(4,3.2) E15(4.8,3.2) E16(5.6,3.2) E17(6.4,3.2) F1(-6.4,2.4) F2(-5.6,2.4) F3(-4.8,2.4) F4(-4,2.4) F5(-3.2,2.4) F13(3.2,2.4) F14(4,2.4) F15(4.8,2.4) F16(5.6,2.4) F17(6.4,2.4) G1(-6.4,1.6) G2(-5.6,1.6) G3(-4.8,1.6) G4(-4,1.6) G5(-3.2,1.6) G7(-1.6,1.6) G8(-0.8,1.6) G9(0,1.6) G10(0.8,1.6) G11(1.6,1.6) G13(3.2,1.6) G14(4,1.6) G15(4.8,1.6) G16(5.6,1.6) G17(6.4,1.6) H1(-6.4,0.8) H2(-5.6,0.8) H3(-4.8,0.8) H4(-4,0.8) H5(-3.2,0.8) H7(-1.6,0.8) H8(-0.8,0.8) H9(0,0.8) H10(0.8,0.8) H11(1.6,0.8) H13(3.2,0.8) H14(4,0.8) H15(4.8,0.8) H16(5.6,0.8) H17(6.4,0.8) J1(-6.4,0) J2(-5.6,0) J3(-4.8,0) J4(-4,0) J5(-3.2,0) J7(-1.6,0) J8(-0.8,0) J9(0,0) J10(0.8,0) J11(1.6,0) J13(3.2,0) J14(4,0) J15(4.8,0) J16(5.6,0) J17(6.4,0) K1(-6.4,-0.8) K2(-5.6,-0.8) K3(-4.8,-0.8) K4(-4,-0.8) K5(-3.2,-0.8) K7(-1.6,-0.8) K8(-0.8,-0.8) K9(0,-0.8) K10(0.8,-0.8) K11(1.6,-0.8) K13(3.2,-0.8) K14(4,-0.8) K15(4.8,-0.8) K16(5.6,-0.8) K17(6.4,-0.8) L1(-6.4,-1.6) L2(-5.6,-1.6) L3(-4.8,-1.6) L4(-4,-1.6) L5(-3.2,-1.6) L7(-1.6,-1.6) L8(-0.8,-1.6) L9(0,-1.6) L10(0.8,-1.6) L11(1.6,-1.6) L13(3.2,-1.6) L14(4,-1.6) L15(4.8,-1.6) L16(5.6,-1.6) L17(6.4,-1.6) M1(-6.4,-2.4) M2(-5.6,-2.4) M3(-4.8,-2.4) M4(-4,-2.4) M5(-3.2,-2.4) M13(3.2,-2.4) M14(4,-2.4) M15(4.8,-2.4) M16(5.6,-2.4) M17(6.4,-2.4) N1(-6.4,-3.2) N2(-5.6,-3.2) N3(-4.8,-3.2) N4(-4,-3.2) N5(-3.2,-3.2) N6(-2.4,-3.2) N7(-1.6,-3.2) N8(-0.8,-3.2) N9(0,-3.2) N10(0.8,-3.2) N11(1.6,-3.2) N12(2.4,-3.2) N13(3.2,-3.2) N14(4,-3.2) N15(4.8,-3.2) N16(5.6,-3.2) N17(6.4,-3.2) P1(-6.4,-4) P2(-5.6,-4) P3(-4.8,-4) P4(-4,-4) P5(-3.2,-4) P6(-2.4,-4) P7(-1.6,-4) P8(-0.8,-4) P9(0,-4) P10(0.8,-4) P11(1.6,-4) P12(2.4,-4) P13(3.2,-4) P14(4,-4) P15(4.8,-4) P16(5.6,-4) P17(6.4,-4) R1(-6.4,-4.8) R2(-5.6,-4.8) R3(-4.8,-4.8) R4(-4,-4.8) R5(-3.2,-4.8) R6(-2.4,-4.8) R7(-1.6,-4.8) R8(-0.8,-4.8) R9(0,-4.8) R10(0.8,-4.8) R11(1.6,-4.8) R12(2.4,-4.8) R13(3.2,-4.8) R14(4,-4.8) R15(4.8,-4.8) R16(5.6,-4.8) R17(6.4,-4.8) T1(-6.4,-5.6) T2(-5.6,-5.6) T3(-4.8,-5.6) T4(-4,-5.6) T5(-3.2,-5.6) T6(-2.4,-5.6) T7(-1.6,-5.6) T8(-0.8,-5.6) T9(0,-5.6) T10(0.8,-5.6) T11(1.6,-5.6) T12(2.4,-5.6) T13(3.2,-5.6) T14(4,-5.6) T15(4.8,-5.6) T16(5.6,-5.6) T17(6.4,-5.6) U1(-6.4,-6.4) U2(-5.6,-6.4) U3(-4.8,-6.4) U4(-4,-6.4) U5(-3.2,-6.4) U6(-2.4,-6.4) U7(-1.6,-6.4) U8(-0.8,-6.4) U9(0,-6.4) U10(0.8,-6.4) U11(1.6,-6.4) U12(2.4,-6.4) U13(3.2,-6.4) U14(4,-6.4) U15(4.8,-6.4) U16(5.6,-6.4) U17(6.4,-6.4)
  silkscreen extent -7.2,-7.2 7.2,7.2
"USB type C  16pin" [mm] "缺少RX和TX两对差分线"
  oval 1x1.6 hole 0.6 slot 1.2 at 90 deg: 0(-4.32,-2.5) 0(4.32,-2.5)
  oval 1x2.1 hole 0.6 slot 1.7 at 90 deg: 0(-4.32,1.68) 0(4.32,1.68)
  rect 0.6x1.64 smd: 1(-3.225,2.5) 2(-2.425,2.5) 11(2.475,2.5) 12(3.275,2.5)
  rect 0.3x1.64 smd: 3(-1.725,2.5) 4(-1.225,2.5) 5(-0.725,2.5) 6(-0.225,2.5) 7(0.275,2.5) 8(0.775,2.5) 9(1.275,2.5) 10(1.775,2.5)
  Keep-Out Layer circle w0.1: c2.89,1.15 r0.325
  Keep-Out Layer circle w0.1: c-2.89,1.15 r0.325
  silkscreen extent -5.59,-5.1 5.46,5.12
WSON8 [mil] "比如W25Q256"
  oval 22x55.1 smd mask+2: 1(-75,-158.6) 2(-25,-158.6) 3(25,-158.6) 4(75,-158.6) 5(75,158.6) 6(25,158.6) 7(-25,158.6) 8(-75,158.6)
  rect 169.3x133.9 smd mask+2: 9(0,0)
  silkscreen extent -121,-196 121,161